# KiCad board amp board.kicad_pcb
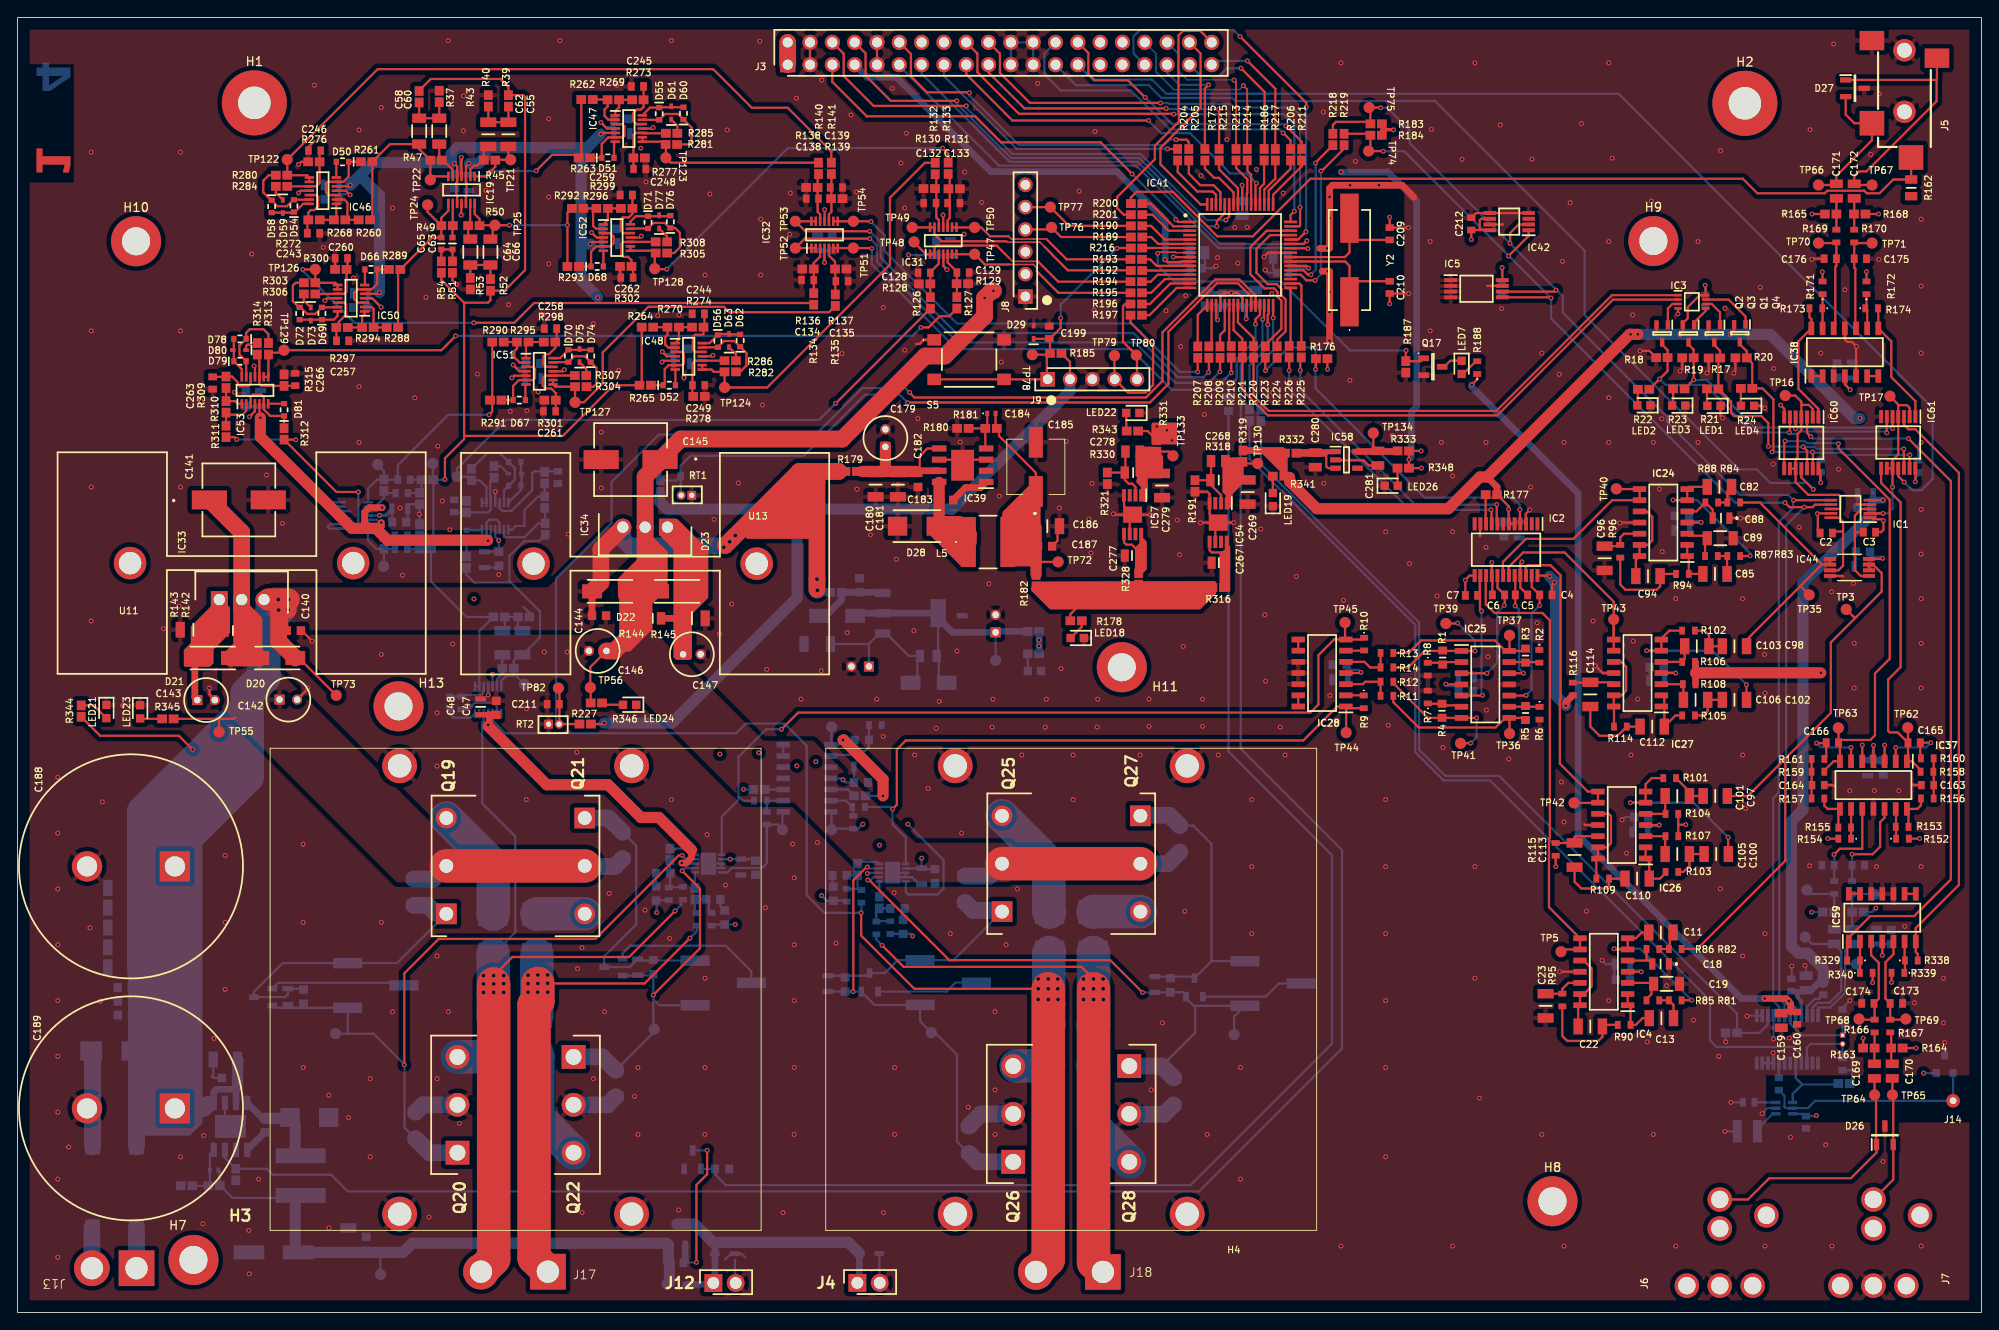
[diagram p0: board, top side]
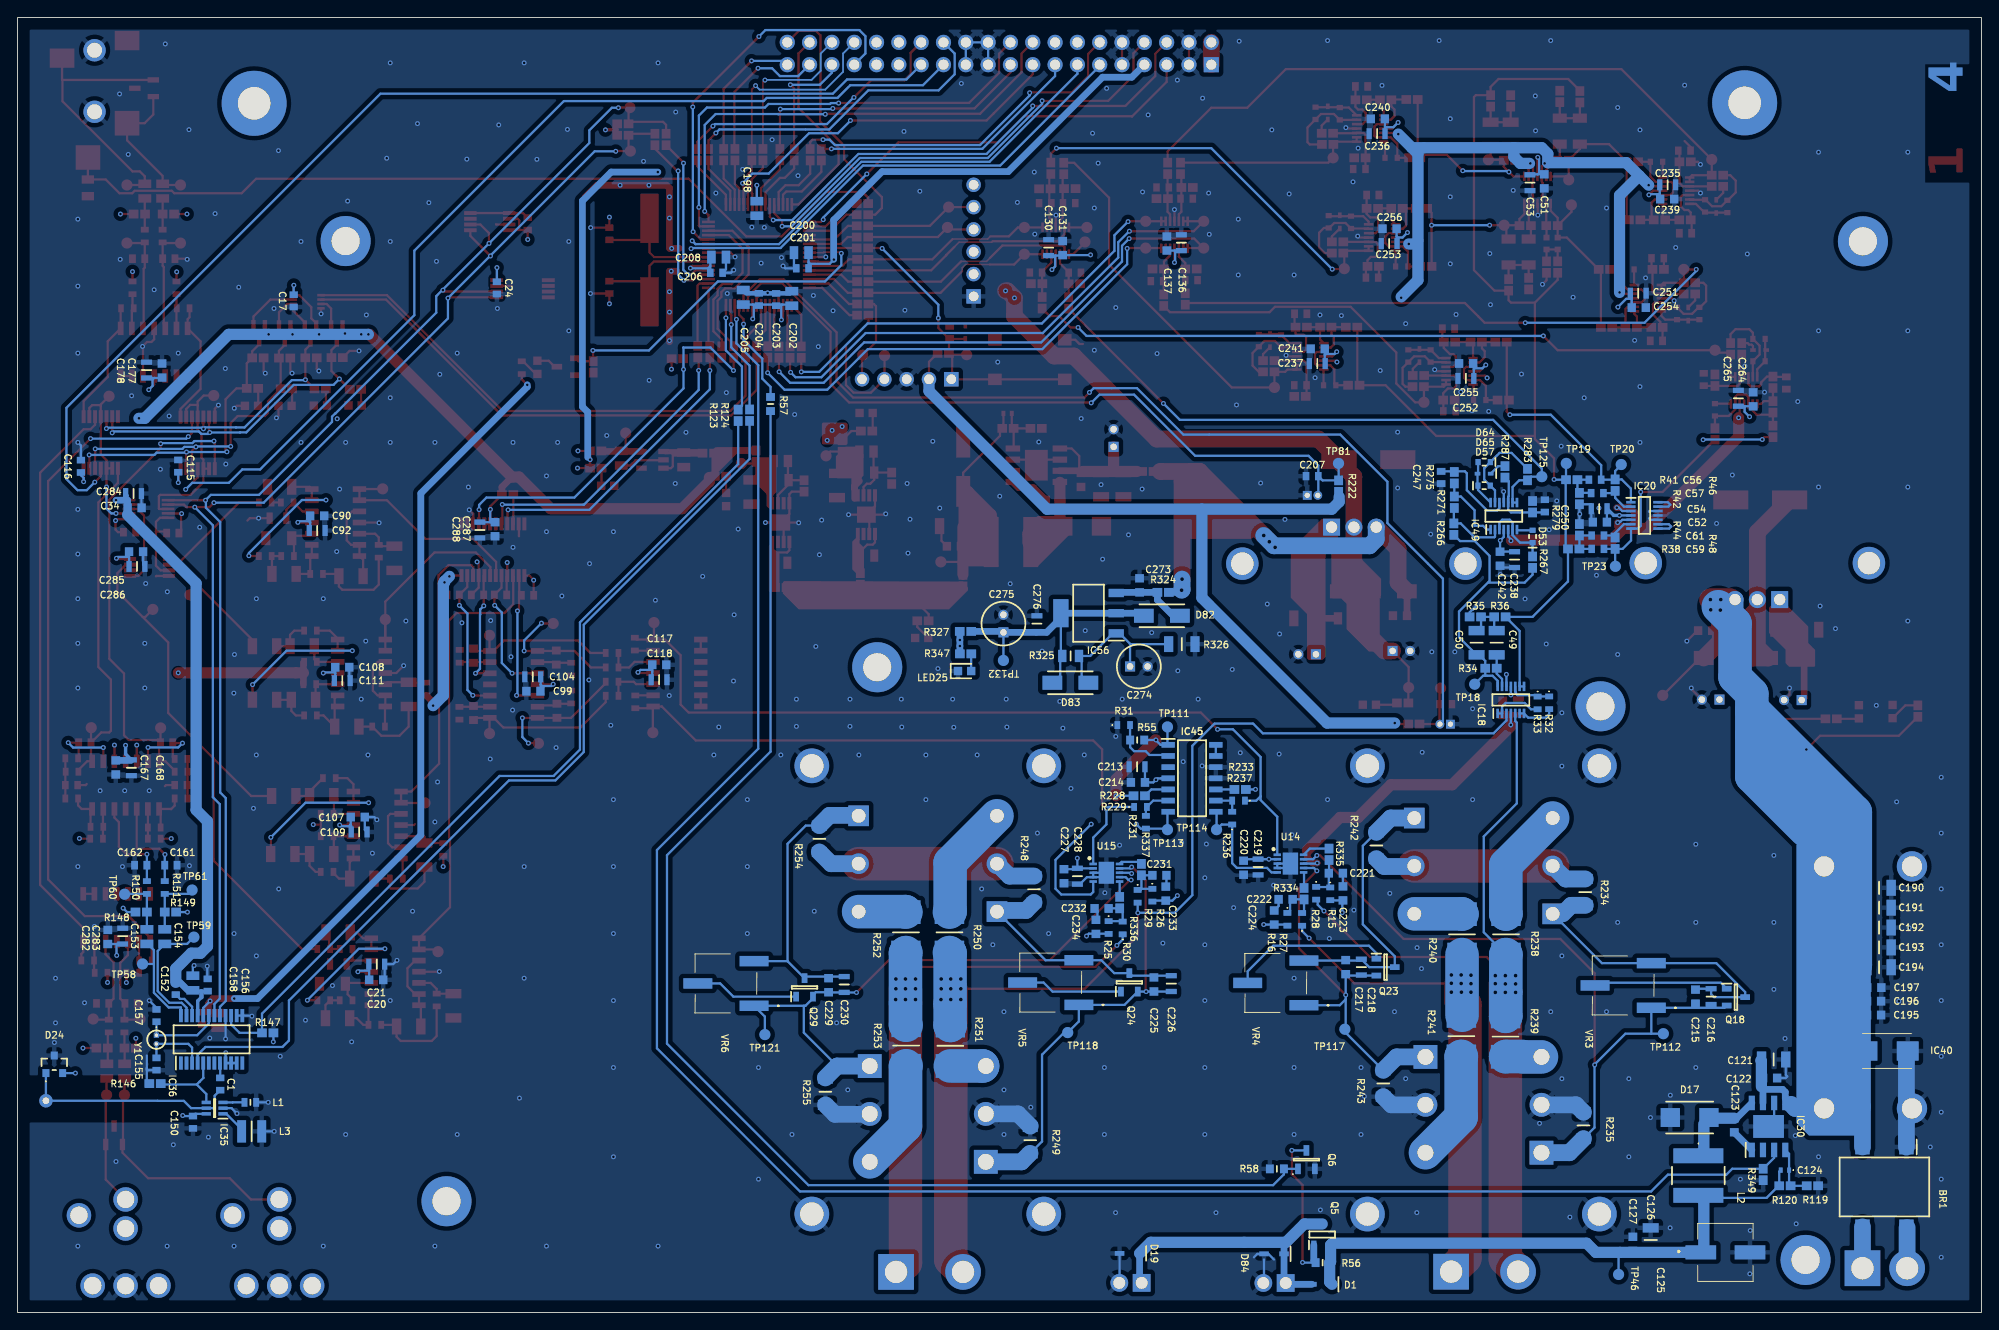
[diagram p1: board, bottom side, seen from below]

Outline 223.52 x 147.32 mm; copper layers: Top, In1.Cu (plane), In2.Cu (plane), Bottom. Coordinates in mm from the lower left corner of the outline.
Outline path: rectangle 0,147.32 223.52,0
Stack: Top 0.035mm / dielectric 0.1mm FR4 er 4.5 / In1.Cu 0.035mm / dielectric 1.24mm FR4 er 4.5 / In2.Cu 0.035mm / dielectric 0.1mm FR4 er 4.5 / Bottom 0.035mm

## Placement (name value [footprint] x y rotation side)
BR1  TT8M_LS_  [SOP500P990X180-4N]  11.04 14.28 270 bottom
C1  1nF  [CAPC1608X90N]  200.46 25.98 90 bottom
C2  330p  [CAPC1608X87N]  205.86 88.67 0 top
C3  330p  [CAPC1608X87N]  210.77 88.77 0 top
C4  330p  [CAPC1608X87N]  173.94 81.64 0 top
C5  330p  [CAPC1608X87N]  171.17 81.64 0 top
C6  330p  [CAPC1608X87N]  168.55 81.64 180 top
C7  330p  [CAPC1608X87N]  165.48 81.59 180 top
C11  0.1u COG  [CAPC3216X180N]  187.04 43.23 180 top
C13  0.1u COG  [CAPC3216X180N]  187.1 33.48 0 top
C17  0.1uF  [CAPC1608X90N]  192.09 115.09 90 bottom
C18  22nF  [GCM21]  187.01 39.65 180 top
C19  62nF  [GRM31x]  187.68 37.39 0 top
C20  0.1uF  [C0603]  182.7 37.85 180 bottom
C21  10uF  [GRM21x]  182.64 39.62 180 bottom
C22  0.1u COG  [CAPC3216X180N]  179 32.54 180 top
C23  82nF  [CAPC3216X180N]  173.91 34.88 90 top
C24  0.1uF  [CAPC1608X90N]  168.96 116.56 90 bottom
C34  0.1uF  [C0603]  210.2 91.54 180 bottom
C47  0.1uF  [C0603]  54.48 68.78 90 top
C48  10uF  [GRM21x]  52.71 68.9 90 top
C49  0.1u  [CAPC3216X180N]  55.17 76.19 90 bottom
C50  0.1u  [CAPC3216X180N]  57.46 76.19 270 bottom
C51  0.1uF  [C0603]  49.76 128.69 270 bottom
C52  0.1uF  [C0603]  43.43 89.92 0 bottom
C53  10uF  [GRM21x]  51.38 128.54 270 bottom
C54  10uF  [GRM21x]  43.5 91.44 0 bottom
C55  0.1u  [CAPC3216X180N]  55.86 134.03 270 top
C56  2.7n  [CAPC1608X90N]  43.98 94.74 180 bottom
C57  2.7n  [CAPC1608X90N]  43.72 93.22 180 bottom
C58  39n  [GRM31x]  45.71 134.4 270 top
C59  1n  [CAPC1608X90N]  43.66 86.87 180 bottom
C60  39n  [GRM31x]  47.99 134.4 270 top
C61  1n  [CAPC1608X90N]  43.66 88.39 180 bottom
C62  0.1u  [CAPC3216X180N]  53.58 134.03 90 top
C63  6.2n  [GRM18x]  49.5 121.62 270 top
C64  16n  [GRM31x]  51.53 120.65 270 top
C65  6.2n  [GRM18x]  48.23 121.62 90 top
C66  16n  [GRM31x]  53.82 120.65 90 top
C82  0.1u COG  [CAPC3216X180N]  193.7 93.93 180 top
C85  0.1u COG  [CAPC3216X180N]  193.19 84.02 0 top
C88  22nF  [GCM21]  193.88 90.37 180 top
C89  62nF  [GRM31x]  193.79 88.09 0 top
C90  0.1uF  [C0603]  189.42 90.63 180 bottom
C92  10uF  [GRM21x]  189.42 88.96 180 bottom
C94  0.1u COG  [CAPC3216X180N]  185.57 83.77 180 top
C96  82nF  [CAPC3216X180N]  180.63 85.8 90 top
C97  0.1u COG  [CAPC3216X180N]  193.22 58.76 180 top
C98  0.1u COG  [CAPC3216X180N]  195.41 75.79 180 top
C99  0.1uF  [C0603]  164.81 70.68 0 bottom
C100  0.1u COG  [CAPC3216X180N]  193.33 52.15 180 top
C101  0.1u COG  [CAPC3216X180N]  188.91 58.76 180 top
C102  0.1u COG  [CAPC3216X180N]  195.41 69.7 180 top
C103  0.1u COG  [CAPC3216X180N]  191.13 75.79 180 top
C104  10uF  [GRM21x]  164.89 72.31 0 bottom
C105  0.1u COG  [CAPC3216X180N]  188.91 52.15 180 top
C106  0.1u COG  [CAPC3216X180N]  190.98 69.7 180 top
C107  0.1uF  [C0603]  184.8 56.36 180 bottom
C108  0.1uF  [C0603]  186.56 73.41 180 bottom
C109  10uF  [GRM21x]  184.64 54.66 180 bottom
C110  0.1u COG  [CAPC3216X180N]  184.33 49.36 180 top
C111  10uF  [GRM21x]  186.56 71.88 180 bottom
C112  0.1u COG  [CAPC3216X180N]  186.05 66.65 180 top
C113  0.1u COG  [CAPC3216X180N]  177.21 52.04 90 top
C114  0.1u COG  [CAPC3216X180N]  179.01 70.32 90 top
C115  0.1uF  [CAPC1608X90N]  205.23 96.29 270 bottom
C116  0.1uF  [CAPC1608X90N]  216.31 96.27 270 bottom
C117  0.1uF  [C0603]  150.48 73.69 180 bottom
C118  10uF  [GRM21x]  150.51 71.99 180 bottom
C121  10uF  [CAPC3216X180N]  23.65 28.78 180 bottom
C122  0.1uF  [C0603]  24.05 26.67 180 bottom
C123  0.1uF  [C0603]  28.13 21.29 270 bottom
C124  300pF  [GCM155]  22.37 16.19 0 bottom
C125  100uF  [865080343009]  30.27 6.83 180 bottom
C126  10uF  [CAPC3216X180N]  37.64 8.24 90 bottom
C127  0.1uF  [C0603]  39.67 7.8 90 bottom
C128  0.01u  [CAPC1608X90N]  103.19 118.3 0 top
C129  0.01u  [CAPC1608X90N]  107.61 118.31 180 top
C130  10uF  [GRM21x]  106.17 121.15 90 bottom
C131  0.1uF  [C0603]  104.57 121.09 90 bottom
C132  0.01u  [CAPC1608X90N]  103.84 126.21 0 top
C133  0.01u  [CAPC1608X90N]  106.55 126.21 180 top
C134  0.01u  [CAPC1608X90N]  89.92 117.45 0 top
C135  0.01u  [CAPC1608X90N]  93.83 117.34 180 top
C136  10uF  [GRM21x]  91.06 121.71 90 bottom
C137  0.1uF  [C0603]  92.71 121.62 90 bottom
C138  0.01u  [CAPC1608X90N]  90.46 126.72 0 top
C139  0.01u  [CAPC1608X90N]  93.19 127.99 180 top
C140  0.1uF  [C0603]  31.45 77.57 0 top
C141  100uF  [UD_8X10_]  25.18 92.44 0 top
C142  10uF  [CAPPRD200W55D500H1200]  29.82 69.72 0 top
C143  10uF  [CAPPRD200W55D500H1200]  20.46 69.67 0 top
C144  0.1uF  [C0603]  66.18 79.27 0 top
C145  100uF  [UD_8X10_]  69.77 97.03 180 top
C146  10uF  [CAPPRD200W55D500H1200]  67.02 75.26 180 top
C147  10uF  [CAPPRD200W55D500H1200]  75.74 74.88 0 top
C150  0.1uF  [CAPC1608X90N]  203.56 21.64 90 bottom
C152  22nF  [CAPC1608X90N]  205.51 36.86 90 bottom
C153  10uF  [CAPC2012X145N]  208.8 42.76 270 bottom
C154  10uF  [CAPC2012X145N]  206.77 42.76 270 bottom
C155  22pF  [CAPC1608X90N]  207.71 28.26 90 bottom
C156  0.1uF  [CAPC1608X90N]  201.88 37.25 270 bottom
C157  22pF  [CAPC1608X90N]  207.71 33.77 270 bottom
C158  10uF  [CAPC2012X145N]  203.57 37.48 270 bottom
C159  10uF  [CAPC2012X145N]  200.74 33.22 90 top
C160  0.1uF  [CAPC1608X90N]  202.54 33.48 90 top
C161  1000pF  [CAPC1608X87N]  206.07 50.88 0 bottom
C162  1000pF  [CAPC1608X87N]  209.5 50.88 180 bottom
C163  1.8nF  [CAPC1608X90N]  217.38 60 180 top
C164  1.8nF  [CAPC1608X90N]  204.94 60 0 top
C165  680pF  [CAPC1608X87N]  215.86 64.82 0 top
C166  680pF  [CAPC1608X87N]  206.55 64.83 180 top
C167  0.1uF  [C0603]  212.34 62.01 270 bottom
C168  10uF  [GRM21x]  210.57 61.97 270 bottom
C169  10uF  [CAPC2012X145N]  211.33 27.46 270 top
C170  10uF  [CAPC2012X145N]  213.37 27.46 270 top
C171  10uF  [CAPC2012X145N]  207.01 127.58 90 top
C172  10uF  [CAPC2012X145N]  209.04 127.58 90 top
C173  1000pF  [CAPC1608X87N]  213.84 35.16 180 top
C174  1000pF  [CAPC1608X87N]  210.6 35.16 0 top
C175  1000pF  [CAPC1608X87N]  209.74 119.89 180 top
C176  1000pF  [CAPC1608X87N]  206.31 119.89 0 top
C177  0.1uF  [C0603]  207.08 107.16 90 bottom
C178  10uF  [GRM21x]  208.84 107.21 90 bottom
C179  22uF  [CAPPRD200W55D500H1250]  98.77 98.48 90 top
C180  10uF  [CAPC3216X180N]  97.66 94.18 270 top
C181  10uF  [CAPC3216X180N]  100.2 94.18 270 top
C182  0.1uF  [C0603]  102.48 94.71 270 top
C183  0.1uF  [C0603]  105.68 92.43 0 top
C184  300pF  [GCM155]  110.84 102.28 0 top
C185  100uF  [865080343009]  115.89 95.08 90 top
C186  10uF  [CAPC3216X180N]  117.2 89.46 0 top
C187  0.1uF  [C0603]  116.95 87.17 0 top
C188  6800uF  [CAPPRD1000W210D2550H4200]  17.91 50.75 180 top
C189  6800uF  [CAPPRD1000W210D2550H4200]  17.91 23.22 180 top
C190  10uF  [CAPC3216X180N]  11.65 48.31 0 bottom
C191  10uF  [CAPC3216X180N]  11.65 46.05 0 bottom
C192  10uF  [CAPC3216X180N]  11.65 43.79 0 bottom
C193  10uF  [CAPC3216X180N]  11.65 41.53 0 bottom
C194  10uF  [CAPC3216X180N]  11.65 39.27 0 bottom
C195  0.1uF  [C0603]  12.22 33.83 180 bottom
C196  0.1uF  [C0603]  12.22 35.41 180 bottom
C197  0.1uF  [C0603]  12.19 36.96 180 bottom
C198  10uF  [CAPC2012X145N]  139.38 125.6 90 bottom
C199  100pF  [CAPC1608X87N]  117.42 111.51 270 top
C200  10uF  [CAPC2012X145N]  134.32 120.57 180 bottom
C201  0.1uF  [CAPC1608X90N]  134.19 118.8 180 bottom
C202  10uF  [CAPC2012X145N]  135.4 115.36 270 bottom
C203  0.1uF  [CAPC1608X90N]  137.18 115.24 270 bottom
C204  0.1uF  [CAPC1608X90N]  139.15 115.25 270 bottom
C205  10uF  [CAPC2012X145N]  140.93 115.49 270 bottom
C206  0.1uF  [CAPC1608X90N]  143.98 118.29 0 bottom
C207  0.1uF  [CAPC1608X90N]  76.17 95.15 180 bottom
C208  10uF  [CAPC2012X145N]  143.72 120.07 0 bottom
C209  33pF  [CAPC1608X90N]  156.17 122.72 90 top
C210  33pF  [CAPC1608X90N]  156.17 116.63 270 top
C211  0.1uF  [CAPC1608X90N]  60.97 69.2 0 top
C212  0.1uF  [CAPC1608X90N]  165.46 123.85 270 top
C213  10uF  [GRM21x]  96.1 62.08 0 bottom
C214  0.1uF  [C0603]  96 60.3 0 bottom
C215  0.1uF  [C0603]  32.55 35.93 270 bottom
C216  10uF  [GRM21x]  30.77 35.93 270 bottom
C217  0.1uF  [C0603]  72.36 39.29 270 bottom
C218  10uF  [GRM21x]  70.58 39.29 270 bottom
C219  10uF  [GRM21x]  82.33 50.67 270 bottom
C220  0.1uF  [C0603]  83.98 50.6 270 bottom
C221  DNA  [C0603]  73.48 49.97 180 bottom
C222  DNA  [C0603]  79.19 47 0 bottom
C223  DNA  [C0603]  72.67 47.68 270 bottom
C224  DNA  [C0603]  80.49 44.93 270 bottom
C225  0.1uF  [C0603]  94.19 37.31 270 bottom
C226  10uF  [GRM21x]  92.21 37.41 270 bottom
C227  0.1uF  [C0603]  104.42 49.63 270 bottom
C228  10uF  [GRM21x]  102.9 49.63 270 bottom
C229  0.1uF  [C0603]  131.21 37.23 270 bottom
C230  10uF  [GRM21x]  129.43 37.31 270 bottom
C231  DNA  [C0603]  93.56 49.73 180 bottom
C232  DNA  [C0603]  100.14 45.96 0 bottom
C233  DNA  [C0603]  92.84 47.65 270 bottom
C234  DNA  [C0603]  100.79 43.87 270 bottom
C235  10uF  [GRM21x]  35.71 128.3 180 bottom
C236  10uF  [GRM21x]  68.78 134.11 0 bottom
C237  10uF  [GRM21x]  75.59 107.96 0 bottom
C238  10uF  [GRM21x]  53.14 85.65 270 bottom
C239  0.1uF  [C0603]  35.77 126.67 180 bottom
C240  0.1uF  [C0603]  68.7 135.8 0 bottom
C241  0.1uF  [C0603]  75.54 109.63 0 bottom
C242  0.1uF  [C0603]  54.79 85.75 270 bottom
C243  100pF  [CAPC1608X87N]  33.68 122.78 180 top
C244  100pF  [CAPC1608X87N]  77.48 113.62 0 top
C245  100pF  [CAPC1608X87N]  70.55 139.49 0 top
C246  0.1u  [CAPC1608X90N]  33.8 132.18 180 top
C247  100pF  [CAPC1608X87N]  61.49 94.99 90 bottom
C248  0.1u  [CAPC1608X90N]  70.8 130.09 0 top
C249  0.1u  [CAPC1608X90N]  77.51 105.49 0 top
C250  0.1u  [CAPC1608X90N]  49.69 91.76 90 bottom
C251  10uF  [GRM21x]  39.06 115.96 180 bottom
C252  10uF  [GRM21x]  58.68 106.27 0 bottom
C253  10uF  [GRM21x]  67.41 121.62 0 bottom
C254  0.1uF  [C0603]  39 114.33 180 bottom
C255  0.1uF  [C0603]  58.65 107.97 0 bottom
C256  0.1uF  [C0603]  67.36 123.3 0 bottom
C257  100pF  [CAPC1608X87N]  36.99 110.54 180 top
C258  100pF  [CAPC1608X87N]  60.66 111.93 0 top
C259  100pF  [CAPC1608X87N]  69.28 127.13 0 top
C260  0.1u  [CAPC1608X90N]  36.85 119.94 180 top
C261  0.1u  [CAPC1608X90N]  60.55 102.53 180 top
C262  0.1u  [CAPC1608X90N]  69.36 117.74 180 top
C263  100pF  [CAPC1608X87N]  22.2 105.74 90 top
C264  0.1uF  [C0603]  25.98 103.89 90 bottom
C265  10uF  [GRM21x]  27.67 104 90 bottom
C266  0.1u  [CAPC1608X90N]  31.6 106.14 90 top
C267  1uF  [CAPC2012X135N]  136.73 85.29 180 top
C268  100pF  [CAPC2012X70N]  136.65 96.87 180 top
C269  10uF  [CAPC3216X180N]  140 93.34 270 top
C273  0.1uF  [C0603]  95.82 82.73 90 bottom
C274  10uF  [CAPPRD200W55D500H1200]  96.9 73.49 180 bottom
C275  10uF  [CAPPRD200W55D500H1200]  111.31 77.38 90 bottom
C276  10uF  [GRM21x]  107.5 78.36 90 bottom
C277  1uF  [CAPC2012X135N]  126.84 86.11 180 top
C278  100pF  [CAPC2012X70N]  126.91 97.94 180 top
C279  10uF  [CAPC3216X180N]  130.26 94.08 270 top
C280  10uF  [CAPC2012X145N]  147.7 97 90 top
C281  10uF  [CAPC2012X145N]  154.81 97.19 90 top
C282  0.1uF  [C0603]  213.25 42.72 90 bottom
C283  10uF  [GRM21x]  211.56 42.81 90 bottom
C284  10uF  [GRM21x]  210.32 93.17 180 bottom
C285  0.1uF  [C0603]  210.03 86.55 180 bottom
C286  10uF  [GRM21x]  209.93 84.88 180 bottom
C287  0.1uF  [C0603]  169.18 89.11 270 bottom
C288  10uF  [GRM21x]  170.91 89.02 270 bottom
D1  BAT54JFILM  [SOD2513X117N]  75.06 3.2 180 bottom
D17  STPS3L60U  [SMBJ50CA]  33.21 22.17 0 bottom
D19  BAT54JFILM  [SOD2513X117N]  96.95 6.72 180 bottom
D20  S1B-13-F  [DIONM5126X230N]  29.56 74.46 180 top
D21  S1B-13-F  [DIONM5126X230N]  22.23 74.46 180 top
D22  S1B-13-F  [DIONM5126X230N]  67.44 82.04 0 top
D23  S1B-13-F  [DIONM5126X230N]  75.08 82.04 0 top
D24  D1213A-01SO-7  [D1213A01SO7]  219.34 28.23 180 bottom
D26  SM712  [SOT95P237X120-3N]  212.53 20.16 90 top
D27  SM712  [SOT95P237X120-3N]  209.12 139.28 0 top
D28  STPS3L60U  [SMBJ50CA]  102.36 89.46 180 top
D29  ESD5Z3V3  [SODFL1608X70N]  115.65 111.52 90 top
D50  BAT54JFILM  [1N4148WT7]  36.98 130.91 180 top
D51  BAT54JFILM  [1N4148WT7]  67.19 131.36 0 top
D52  BAT54JFILM  [1N4148WT7]  74.18 105.49 0 top
D53  BAT54JFILM  [1N4148WT7]  51.09 88.28 90 bottom
D54  1N4148WX-TP  [1N4148WT7]  31.46 125.89 90 top
D55  1N4148WX-TP  [1N4148WT7]  73.03 136.38 270 top
D56  1N4148WX-TP  [1N4148WT7]  79.7 110.51 270 top
D57  1N4148WX-TP  [1N4148WT7]  56.6 94.06 180 bottom
D58  1N4148WX-TP  [1N4148WT7]  28.92 125.83 270 top
D59  RB751S40T1G  [SODFL1608X70N]  30.19 125.83 270 top
D60  1N4148WX-TP  [1N4148WT7]  75.79 136.42 90 top
D61  RB751S40T1G  [SODFL1608X70N]  74.4 136.47 90 top
D62  1N4148WX-TP  [1N4148WT7]  82.24 110.57 90 top
D63  RB751S40T1G  [SODFL1608X70N]  80.97 110.57 90 top
D64  1N4148WX-TP  [1N4148WT7]  56.59 96.75 0 bottom
D65  RB751S40T1G  [SODFL1608X70N]  56.6 95.43 0 bottom
D66  BAT54JFILM  [1N4148WT7]  40.23 118.67 180 top
D67  BAT54JFILM  [1N4148WT7]  57.1 103.8 0 top
D68  BAT54JFILM  [1N4148WT7]  65.97 119.01 0 top
D69  1N4148WX-TP  [1N4148WT7]  34.64 113.65 90 top
D70  1N4148WX-TP  [1N4148WT7]  62.69 108.82 270 top
D71  1N4148WX-TP  [1N4148WT7]  71.76 124.02 270 top
D72  1N4148WX-TP  [1N4148WT7]  32.1 113.65 270 top
D73  RB751S40T1G  [SODFL1608X70N]  33.37 113.59 270 top
D74  1N4148WX-TP  [1N4148WT7]  65.23 108.82 90 top
D75  RB751S40T1G  [SODFL1608X70N]  63.96 108.87 90 top
D76  1N4148WX-TP  [1N4148WT7]  74.29 124.09 90 top
D77  RB751S40T1G  [SODFL1608X70N]  73.03 124.07 90 top
D78  1N4148WX-TP  [1N4148WT7]  25.31 110.76 180 top
D79  1N4148WX-TP  [1N4148WT7]  25.31 108.22 0 top
D80  RB751S40T1G  [SODFL1608X70N]  25.25 109.49 180 top
D81  BAT54JFILM  [1N4148WT7]  30.33 102.7 90 top
D82  S1B-13-F  [DIONM5126X230N]  93.28 79.26 0 bottom
D83  S1B-13-F  [DIONM5126X230N]  103.69 71.64 180 bottom
D84  BAT54JFILM  [SOD2513X117N]  80.52 6.67 180 bottom
G***  LOGO  [wolfe engineering mask]  158.45 32.08 90 top
H1  ~  [MountingHole_3.7mm_Pad_TopBottom]  26.95 137.62 0 top
H2  ~  [MountingHole_3.7mm_Pad_TopBottom]  196.6 137.57 0 top
H3  MA-302-55E  [MA30255E]  69.88 11.19 90 top
H4  MA-302-55E  [MA30255E]  133.12 11.19 90 top
H7  ~  [MountingHole_3.2mm_M3_ISO7380_Pad_TopBottom]  20.02 5.97 0 top
H8  ~  [MountingHole_3.2mm_M3_ISO7380_Pad_TopBottom]  174.7 12.65 0 top
H9  ~  [MountingHole_3.2mm_M3_ISO7380_Pad_TopBottom]  186.18 121.89 0 top
H10  ~  [MountingHole_3.2mm_M3_ISO7380_Pad_TopBottom]  13.49 121.87 0 top
H11  ~  [MountingHole_3.2mm_M3_ISO7380_Pad_TopBottom]  125.68 73.41 0 top
H13  ~  [MountingHole_3.2mm_M3_ISO7380_Pad_TopBottom]  43.36 68.96 0 top
IC1  AD5243BRMZ10  [SOP50P490X110-10N]  208.61 91.41 180 top
IC2  AD5204BRUZ10  [SOP65P640X120-24N]  169.41 86.78 270 top
IC3  SN74LVC1G139DCUT  [SOP50P310X90-8N]  190.56 114.99 0 top
IC4  OPA1644AIDR  [SOIC127P600X175-14N]  180.54 38.76 180 top
IC5  AT24C256C-XHL-B  [SOP65P640X120-8N]  166.05 116.47 0 top
IC18  TL074HIDYYR  [SOP50P326X110-14N]  53.56 69.69 90 bottom
IC19  TL074HIDYYR  [SOP50P326X110-14N]  50.53 127.71 270 top
IC20  TL074HIDYYR  [SOP50P326X110-14N]  38.36 90.68 180 bottom
IC24  OPA1644AIDR  [SOIC127P600X175-14N]  187.32 89.87 180 top
IC25  OPA1644AIDR  [SOIC127P600X175-14N]  167.06 71.45 0 top
IC26  OPA1644AIDR  [SOIC127P600X175-14N]  182.58 55.45 180 top
IC27  OPA1644AIDR  [SOIC127P600X175-14N]  184.38 72.75 180 top
IC28  OPA1644AIDR  [SOIC127P600X175-14N]  148.47 72.75 180 top
IC30  ST1S14PHR  [SOIC127P600X175-9N]  24.23 21.16 90 bottom
IC31  TL074HIDYYR  [SOP50P326X110-14N]  105.36 121.93 90 top
IC32  TL074HIDYYR  [SOP50P326X110-14N]  91.85 122.61 90 top
IC33  LM338T_NOPB  [TO254P470X1028X1955-3P]  22.96 81.1 0 top
IC34  LM338T_NOPB  [TO254P470X1028X1955-3P]  73.96 89.34 180 top
IC35  4259-63  [SOT65P210X110-6N]  201.09 23.24 0 bottom
IC36  Si4734-D60-GU  [SOP64P600X175-24N]  201.44 31.07 90 bottom
IC37  OPA1644AIDR  [SOIC127P600X175-14N]  211.23 60 270 top
IC38  OPA1644AIDR  [SOIC127P600X175-14N]  207.98 109.25 90 top
IC39  ST1S14PHR  [SOIC127P600X175-9N]  107.56 96.39 180 top
IC40  -  [SMBJ36A]  17.34 26.77 0 bottom
IC41  PIC24FJ128GL306-I_PT  [QFP50P1200X1200X120-64N]  139.15 120.32 0 top
IC42  LM75BDP,118  [SOP65P490X110-8N#2]  169.77 124.1 180 top
IC44  OPA1642AIDGKT  [SOP65P490X110-8N]  208.51 84.76 0 top
IC45  OPA1644AIDR  [SOIC127P600X175-14N]  89.85 60.77 180 bottom
IC46  TL074HIDYYR  [SOP50P326X110-14N]  34.74 127.63 180 top
IC47  TL074HIDYYR  [SOP50P326X110-14N]  69.57 134.7 0 top
IC48  TL074HIDYYR  [SOP50P326X110-14N]  76.39 108.78 0 top
IC49  TL074HIDYYR  [SOP50P326X110-14N]  54.36 90.61 90 bottom
IC50  TL074HIDYYR  [SOP50P326X110-14N]  37.96 115.39 180 top
IC51  TL074HIDYYR  [SOP50P326X110-14N]  59.4 107.08 0 top
IC52  TL074HIDYYR  [SOP50P326X110-14N]  68.21 122.29 0 top
IC53  TL074HIDYYR  [SOP50P326X110-14N]  27.02 104.91 90 top
IC54  TLV76701DGNR  [SOP65P490X110-9N]  136.65 89.87 270 top
IC56  LM317MDCYR  [SOT230P700X180-4N]  101.63 79.55 0 bottom
IC57  TLV76701DGNR  [SOP65P490X110-9N]  126.91 90.76 270 top
IC58  TPS7A2025PDBVR  [SOT95P280X145-5N]  151.26 97 0 top
IC59  OPA1644AIDR  [SOIC127P600X175-14N]  212.24 44.91 90 top
IC60  TS3A4751PWR  [SOP65P640X120-14N]  203.02 98.93 270 top
IC61  TS3A4751PWR  [SOP65P640X120-14N]  214.05 98.98 270 top
J3  61304021821  [RHDR40W97P254X254_2X20_5130X508X860P]  87.66 141.96 0 top
J4  PPTC021LFBN-RC  [RHDR2W80P0X254_1X2_558X254X850P]  95.58 3.36 0 top
J5  -  [SJ-3524-SMT-TR]  217.76 147.1 270 top
J6  971  [Phono Jack]  193.74 3.05 90 top
J7  970  [Phono Jack]  211.23 3.05 90 top
J8  61300611121  [HDRV6W64P0X254_1X6_1524X254X869P]  114.71 115.6 90 top
J9  61300511121  [HDRV5W64P0X254_1X5_1270X254X854P]  117.25 106.17 0 top
J12  PPTC021LFBN-RC  [RHDR2W80P0X254_1X2_558X254X850P]  79.19 3.35 0 top
J13  ~  [power wires]  13.54 5.03 180 top
J14  ~  [ant hole]  220.29 24.08 0 top
J17  ~  [power wires#2]  60.36 4.64 180 top
J18  ~  [power wires#2]  123.53 4.61 180 top
L1  56nH  [LQW18AS10NG0CD]  197.03 23.9 0 bottom
L2  ASPI-6045S-6R8M-T  [ASPI-6045S]  32.22 15.57 270 bottom
L3  2700nH  [LQW2UAS12NG00L]  196.88 20.6 180 bottom
L5  ASPI-6045S-6R8M-T  [ASPI-6045S]  110.46 87.65 0 top
LED1  150060SS75000  [LEDC1608X80N]  193.08 103.15 180 top
LED2  150060SS75000  [LEDC1608X80N]  185.1 103.2 180 top
LED3  150060SS75000  [LEDC1608X80N]  189.07 103.18 180 top
LED4  150060SS75000  [LEDC1608X80N]  196.9 103.15 180 top
LED7  150060VS75000  [LEDC1608X80N]  164.35 107.53 270 top
LED18  150060VS75000  [LEDC1608X80N]  120.61 76.73 180 top
LED19  150060VS75000  [LEDC1608X80N]  142.88 92.48 90 top
LED21  150060VS75000  [LEDC1608X80N]  10.11 68.37 270 top
LED22  150060VS75000  [LEDC1608X80N]  126.94 102.34 180 top
LED23  150060VS75000  [LEDC1608X80N]  13.95 68.34 270 top
LED24  150060VS75000  [LEDC1608X80N]  69.66 69.14 180 top
LED25  150060VS75000  [LEDC1608X80N]  115.74 72.97 180 bottom
LED26  150060VS75000  [LEDC1608X80N]  156.35 94.06 0 top
Q1  BSS84WQ-7-F  [SOT65P210X110-3N]  193.12 111.38 270 top
Q2  BSS84WQ-7-F  [SOT65P210X110-3N]  187.18 111.38 270 top
Q3  BSS84WQ-7-F  [SOT65P210X110-3N]  190.18 111.38 270 top
Q4  BSS84WQ-7-F  [SOT65P210X110-3N]  196.02 111.41 270 top
Q5  NTR4101PT1G  [SOT96P237X111-3N]  75.03 8.86 90 bottom
Q6  2N7002-7-F  [SOT96P240X120-3N]  76.83 17.38 90 bottom
Q17  2N7002-7-F  [SOT96P240X120-3N]  161.09 107.59 0 top
Q18  MMBT3904-7-F  [SOT96P240X110-3N]  27.94 35.87 180 bottom